# Altium PCB PCB-Tester-Board.PcbDoc (part 1 of 7) (continued)
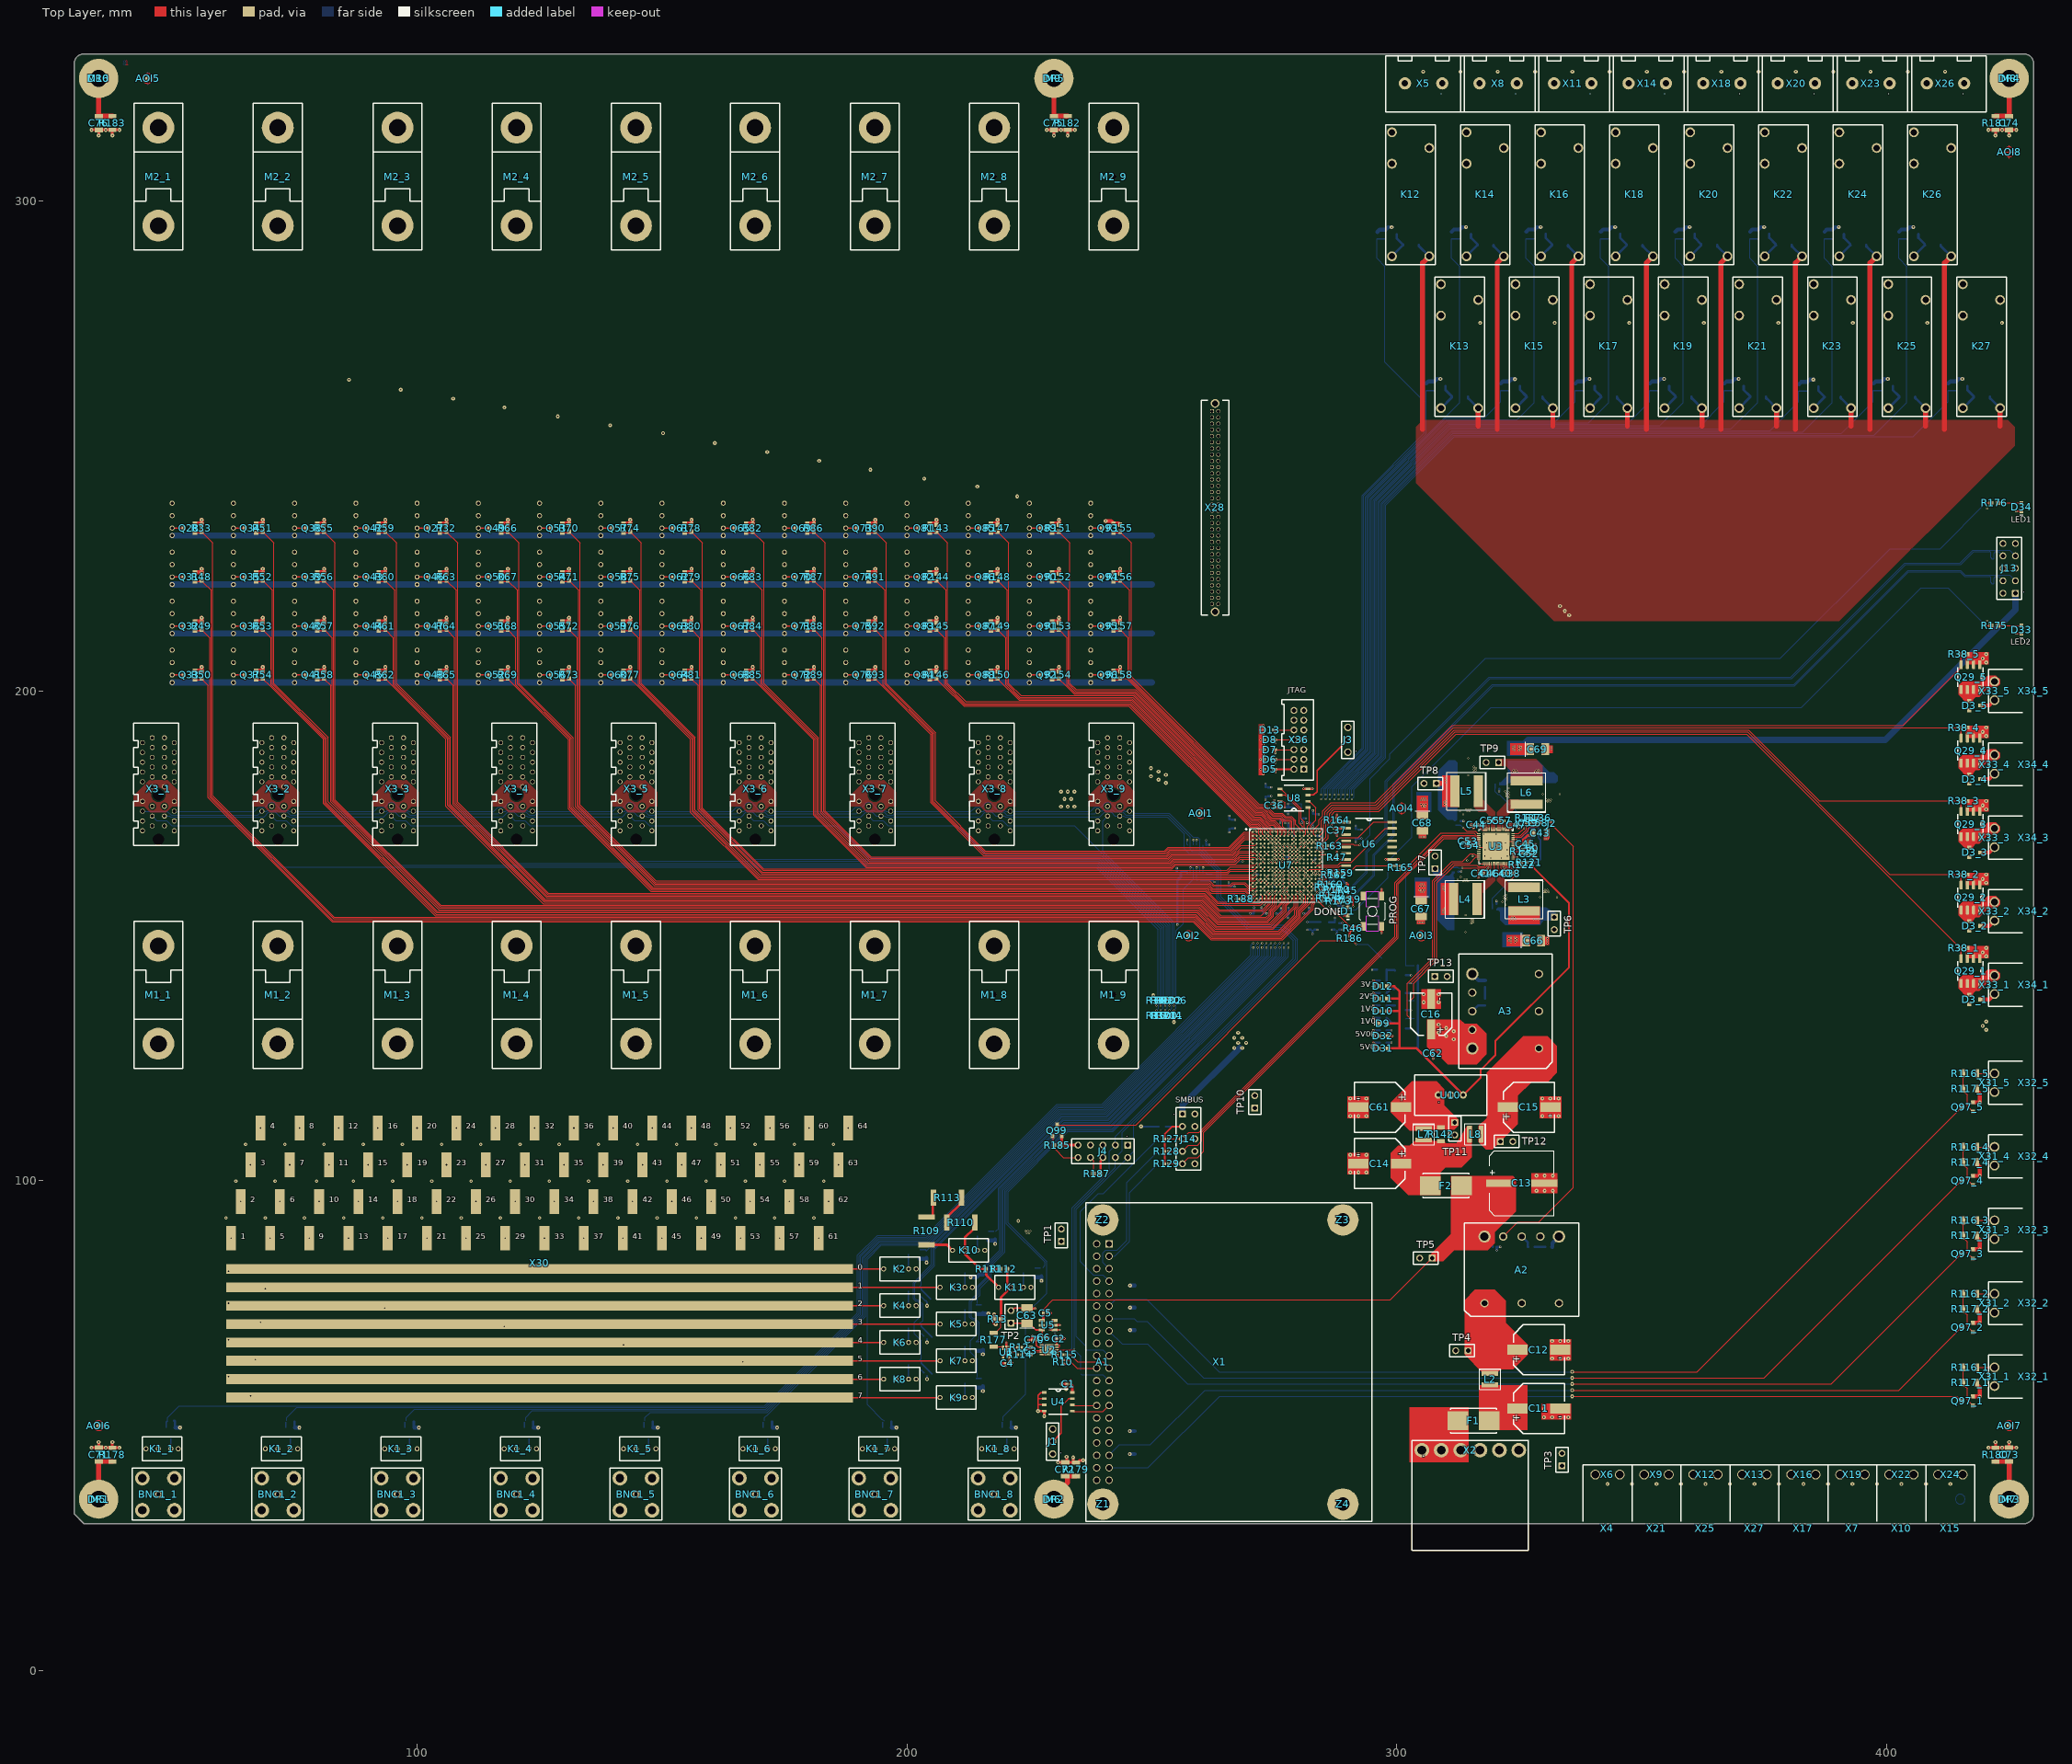
[diagram p0: Top Layer view]
## Components (designator, comment, footprint, x,y, rotation, side; value= is the part's Value field where it differs from the comment)
A1 "A" RPI4B 240,63 r270 top locked
A2 "A" I3A-POSETIVE 325.5,81.8 r90 top
A3 "A" I3A-POSETIVE 322.2,134.6 r180 top
AOI1 "AOI" "Fiducial Point" 260,175 r0 top
AOI2 "AOI" "Fiducial Point" 257.5,150 r90 top
AOI3 "AOI" "Fiducial Point" 305,150 r90 top
AOI4 "AOI" "Fiducial Cross" 301,176 r90 top
AOI5 "AOI" "Fiducial Point" 45,325 r90 top
AOI6 "AOI" "Fiducial Point" 35,50 r90 top
AOI7 "AOI" "Fiducial Point" 425,50 r90 top
AOI8 "AOI" "Fiducial Cross" 425,310 r90 top
AOI9 "AOI" "Fiducial Point" 35,50 r90 bottom
AOI10 "AOI" "Fiducial Point" 415,35 r90 bottom
AOI11 "AOI" "Fiducial Point" 425,310 r90 bottom
AOI12 "AOI" "Fiducial Cross" 45,325 r90 bottom
BNC1_1 "X" BNC 47.188,36 r180 top locked (schematic designator BNC1)
BNC1_2 "X" BNC 71.563,36 r180 top locked (schematic designator BNC1)
BNC1_3 "X" BNC 95.938,36 r180 top locked (schematic designator BNC1)
BNC1_4 "X" BNC 120.313,36 r180 top locked (schematic designator BNC1)
BNC1_5 "X" BNC 144.688,36 r180 top locked (schematic designator BNC1)
BNC1_6 "X" BNC 169.063,36 r180 top locked (schematic designator BNC1)
BNC1_7 "X" BNC 193.438,36 r180 top locked (schematic designator BNC1)
BNC1_8 "X" BNC 217.813,36 r180 top locked (schematic designator BNC1)
C1 "C" "C0402 Reflow" 233,58.5 r180 top value=100nF
C2 "C" "C0402 Reflow" 231,67.75 r0 top value=100nF
C3 "C" "C0603 Reflow" 225.25,65.25 r270 top value=2.2nF
C4 "C" "C0402 Reflow" 220.5,62.75 r180 top value=100nF
C5 "C" "C0402 Reflow" 228.25,73 r0 top value=100nF
C6 "C" "C0402 Reflow" 228,68 r0 top value=1uF
C7 "C" "C1206 Reflow" 322.5,164 r90 bottom value=10uF
C8 "C" "C1206 Reflow" 325,163 r90 bottom value=10uF
C9 "C" "C0805 Reflow" 287.75,152 r270 bottom value=10uF
C10 "C" "C0805 Reflow" 282.8,152.032 r270 bottom value=10uF
C11 "C+" SMD-CAP-ALU-G 329,53.5 r180 top value=330uF
C12 "C+" SMD-CAP-ALU-G 329,65.5 r180 top value=100uF
C13 "C+" CAP_EL_KE0 325.5,99.5 r90 top value=680µF
C14 "C+" SMD-CAP-ALU-G 296.5,103.5 r0 top value=330uF
C15 "C+" SMD-CAP-ALU-G 327,115 r180 top value=100uF
C16 "C+" SMD-CAP-ALU-E 307,134 r270 top value=220µF
C17 "C" "C0402 Reflow" 277.8,175.8 r270 bottom value=100nF
C18 "C" "C1206 Reflow" 318,164 r90 bottom value=10uF
C19 "C" "C1206 Reflow" 315.5,164 r90 bottom value=10uF
C20 "C" "C1206 Reflow" 319.151,171.262 r270 bottom value=DNM
C21 "C" "C1206 Reflow" 316.306,172.212 r270 bottom value=DNM
C22 "C" "C1206 Reflow" 324.231,172.187 r270 bottom value=10uF
C23 "C" "C1206 Reflow" 321.31,171.262 r270 bottom value=10uF
C24 "C" "C1210 Reflow" 323.958,156.247 r90 bottom value=47uF
C25 "C" "C1210 Reflow" 327.458,156.247 r90 bottom value=47uF
C26 "C" "C1210 Reflow" 330.958,156.247 r90 bottom value=47uF
C27 "C" "C1210 Reflow" 312.458,159.497 r0 bottom value=47uF
C28 "C" "C1210 Reflow" 312.458,155.997 r0 bottom value=47uF
C29 "C" "C1210 Reflow" 312.458,152.497 r0 bottom value=47uF
C30 "C" "C1210 Reflow" 312.995,177.492 r0 bottom value=DNM
C31 "C" "C1210 Reflow" 312.995,180.992 r0 bottom value=DNM
C32 "C" "C1210 Reflow" 312.995,184.492 r0 bottom value=DNM
C33 "C" "C1210 Reflow" 324.495,180.492 r270 bottom value=47uF
C34 "C" "C1210 Reflow" 327.995,180.492 r270 bottom value=47uF
C35 "C" "C1210 Reflow" 331.495,180.492 r270 bottom value=47uF
C36 "C" "C0402 Reflow" 275,176.595 r270 top value=100nF
C37 "C" "C0402 Reflow" 287.8,171.5 r270 top value=100nF
C38 "C" "C0402 Reflow" 323.25,162.75 r0 top value=100nF
C39 "C" "C0402 Reflow" 320,86.5 r0 bottom value=DNM
C40 "C" "C0402 Reflow" 321.5,162.75 r180 top value=100nF
C41 "C" "C0402 Reflow" 317.25,162.75 r180 top value=100nF
C42 "C" "C0402 Reflow" 321.589,155.956 r90 bottom value=100nF
C43 "C" "C1206 Reflow" 329.25,171 r0 top value=10uF
C44 "C" "C0402 Reflow" 316.194,172.69 r180 top value=100nF
C45 "C" "C0402 Reflow" 326.25,168.75 r0 top value=100nF
C46 "C" "C0402 Reflow" 319,162.75 r0 top value=100nF
C47 "C" "C0402 Reflow" 324.348,172.69 r0 top value=100nF
C48 "C" "C0402 Reflow" 312,162 r0 bottom value=100nF
C49 "C" "C0805 Reflow" 326.75,168.25 r0 bottom value=2u2
C50 "C" "C0402 Reflow" 327,167.75 r0 top value=1nF
C51 "C" "C0805 Reflow" 326.75,166.25 r0 bottom value=2u2
C52 "C" "C0402 Reflow" 327,166.75 r0 top value=1nF
C53 "C" "C0402 Reflow" 314.547,169.25 r180 top value=100nF
C54 "C" "C0402 Reflow" 314.947,168.45 r180 top value=1uF
C55 "C" "C0402 Reflow" 319,173.5 r0 top value=DNM
C56 "C" "C0402 Reflow" 312.5,174.75 r0 bottom value=DNM
C57 "C" "C0402 Reflow" 321.5,173.5 r180 top value=100nF
C58 "C" "C0402 Reflow" 328.879,173.076 r180 top value=10nF
C59 "C" "C0402 Reflow" 326.822,173.076 r0 top value=10nF
C60 "C" "C0402 Reflow" 322.123,180.545 r270 bottom value=100nF
C61 "C+" SMD-CAP-ALU-G 296.5,115 r0 top value=100uF
C62 "C" "C0402 Reflow" 307.4,126 r270 top value=DNM
C63 "C+" CAP_TAN_B 224.5,72.5 r90 top value=10u
C64 "C" "C0402 Reflow" 226,67.5 r180 bottom value=1uF
C65 "C" "C0402 Reflow" 231.164,67.75 r0 bottom value=1uF
C66 "C+" CAP_TAN_B 327.939,148.996 r0 top value=47u
C67 "C+" CAP_TAN_B 304.958,155.497 r270 top value=47u
C68 "C+" CAP_TAN_B 305.245,172.992 r270 top value=47u
C69 "C+" CAP_TAN_B 328.727,188.087 r0 top value=47u
C70 "C" "C0402 Reflow" 226,67.5 r180 top value=1uF
C71 "C" "C1206 Reflow" 35,44.1 r270 top value=DNM
C72 "C" "C1206 Reflow" 232.3,41.1 r270 top value=DNM
C73 "C" "C1206 Reflow" 425,44.1 r270 top value=DNM
C74 "C" "C1206 Reflow" 425,315.9 r90 top value=DNM
C75 "C" "C1206 Reflow" 230,315.9 r90 top value=DNM
C76 "C" "C1206 Reflow" 35,315.9 r90 top value=DNM
C77 "C" "C0402 Reflow" 255.5,163.1 r180 bottom value=100nF
C310 "C" "C0805 Reflow" 271.75,154.65 r180 bottom value=47uF
C311 "C" "C0402 Reflow" 278.6,164.4 r180 bottom value=4u7F
C312 "C" "C0402 Reflow" 274.3,161.6 r90 bottom value=4u7F
C313 "C" "C0402 Reflow" 276.8,164.4 r0 bottom value=4u7F
C314 "C" "C0402 Reflow" 277.4,161.3 r270 bottom value=470nF
C315 "C" "C0402 Reflow" 275.1,164.4 r180 bottom value=470nF
C316 "C" "C0805 Reflow" 282.745,173.95 r90 bottom value=47uF
C317 "C" "C0402 Reflow" 277.4,167.345 r270 bottom value=470nF
C318 "C" "C0805 Reflow" 282.6,154.65 r180 bottom value=47uF
C430 "C" "C0402 Reflow" 281.4,164.675 r90 bottom value=4u7F
C431 "C" "C0402 Reflow" 280.9,167.7 r0 bottom value=4u7F
C432 "C" "C0402 Reflow" 280.9,166.8 r0 bottom value=470nF
C433 "C" "C0402 Reflow" 279.7,168.8 r90 bottom value=470nF
C434 "C" "C0402 Reflow" 280.5,162.3 r90 bottom value=470nF
C435 "C" "C0402 Reflow" 280.4,164.675 r90 bottom value=470nF
C436 "C" "C0805 Reflow" 277,154.625 r180 bottom value=47uF
C437 "C" "C0805 Reflow" 288.1,161.555 r180 bottom value=47uF
C438 "C" "C0402 Reflow" 278.7,158.7 r180 bottom value=4u7F
C439 "C" "C0402 Reflow" 283.7,160.1 r270 bottom value=4u7F
C440 "C" "C0402 Reflow" 283.2,158.4 r90 bottom value=470nF
C441 "C" "C0402 Reflow" 281.3,160.7 r270 bottom value=470nF
C442 "C" "C0402 Reflow" 283.6,161.7 r0 bottom value=470nF
C443 "C" "C0402 Reflow" 281.4,158.5 r90 bottom value=470nF
C444 "C" "C0805 Reflow" 291.711,170.775 r270 bottom value=47uF
C445 "C" "C0402 Reflow" 281.7,165.9 r180 bottom value=4u7F
C446 "C" "C0402 Reflow" 283.1,168.1 r270 bottom value=4u7F
C447 "C" "C0402 Reflow" 282.2,162.995 r270 bottom value=470nF
C448 "C" "C0402 Reflow" 283.4,166.3 r270 bottom value=470nF
C449 "C" "C0402 Reflow" 283.4,170.4 r0 bottom value=470nF
C450 "C" "C0402 Reflow" 281.4,170.4 r90 bottom value=470nF
C451 "C" "C0805 Reflow" 273.3,179.4 r90 bottom value=47uF
C452 "C" "C0402 Reflow" 277.9,171.9 r90 bottom value=4u7F
C453 "C" "C0402 Reflow" 276.6,173.7 r180 bottom value=4u7F
C454 "C" "C0402 Reflow" 278.194,169.628 r270 bottom value=470nF
C455 "C" "C0402 Reflow" 276.2,170.7 r180 bottom value=470nF
C456 "C" "C0805 Reflow" 265.8,159.175 r90 bottom value=47uF
C457 "C" "C0402 Reflow" 270.3,159.3 r90 bottom value=4u7F
C458 "C" "C0402 Reflow" 273.9,159.7 r180 bottom value=4u7F
C459 "C" "C0402 Reflow" 274.8,157.7 r90 bottom value=470nF
C460 "C" "C0402 Reflow" 272.1,158.3 r270 bottom value=470nF
C461 "C" "C0402 Reflow" 272.1,162.5 r180 bottom value=470nF
C462 "C" "C0402 Reflow" 272.2,160.2 r0 bottom value=470nF
C463 "C" "C0805 Reflow" 265.9,172.8 r270 bottom value=47uF
C464 "C" "C0402 Reflow" 272.7,167.3 r90 bottom value=4u7F
C465 "C" "C0402 Reflow" 271,170.5 r90 bottom value=4u7F
C466 "C" "C0402 Reflow" 274.1,171.1 r270 bottom value=470nF
C467 "C" "C0402 Reflow" 273.1,169.1 r180 bottom value=470nF
C468 "C" "C0402 Reflow" 271.3,169.2 r180 bottom value=470nF
C469 "C" "C0402 Reflow" 270.7,166 r0 bottom value=470nF
C470 "C" "C0402 Reflow" 285.5,160.4 r90 bottom value=DNM
C471 "C" "C0402 Reflow" 277.4,165.7 r270 bottom value=100nF
C476 "C" "C0402 Reflow" 277.4,163 r90 bottom value=4u7F
C477 "C" "C0402 Reflow" 274.3,167.2 r90 bottom value=4u7F
D1 "D" L0603G 290,155 r270 top locked
D3_1 "D" SOT23-3 418,137 r90 top (schematic designator D3)
D3_2 "D" SOT23-3 418,152 r90 top (schematic designator D3)
D3_3 "D" SOT23-3 418,167 r90 top (schematic designator D3)
D3_4 "D" SOT23-3 418,182 r90 top (schematic designator D3)
D3_5 "D" SOT23-3 418,197 r90 top (schematic designator D3)
D5 "D" SOD323 274.1,184 r0 top
D6 "D" SOD323 274.1,186 r0 top
D7 "D" SOD323 274.1,188 r0 top
D8 "D" SOD323 274.1,190 r0 top
D9 "D" L0603G 297.18,132.08 r180 top
D10 "D" L0603G 297.18,134.62 r180 top
D11 "D" L0603G 297.18,137.16 r180 top
D12 "D" L0603G 297.18,139.7 r180 top
D13 "D" SOD323 274.1,192 r0 top
D14 "D" SOD123 302.9,290.962 r0 bottom
D15 "D" SOD123 312.862,260 r0 bottom
D16 "D" SOD123 318.082,291 r0 bottom
D17 "D" SOD123 328.082,260 r0 bottom
D18 "D" SOD123 333.302,291 r0 bottom
D19 "D" SOD123 343.302,260 r0 bottom
D20 "D" SOD123 348.522,291 r0 bottom
D21 "D" SOD123 358.522,260 r0 bottom
D22 "D" SOD123 363.742,291 r0 bottom
D23 "D" SOD123 373.742,260 r0 bottom
D24 "D" SOD123 378.962,291 r0 bottom
D25 "D" SOD123 388.962,259.868 r0 bottom
D26 "D" SOD123 394.182,291 r0 bottom
D27 "D" SOD123 404.182,260 r0 bottom
D28 "D" SOD123 409.402,291 r0 bottom
D29 "D" SOD123 419.402,260 r0 bottom
D31 "D" L0603G 297.18,127 r180 top
D32 "D" L0603G 297.18,129.54 r180 top
D33 "D" L0603G 427.5,212.5 r270 top
D34 "D" L0603G 427.5,237.5 r270 top
DR1 "3.4mm" HOLE_3.4mm 35,35 r0 top locked
DR2 "3.4mm" HOLE_3.4mm 230,35 r0 top locked
DR3 "3.4mm" HOLE_3.4mm 425,35 r0 top locked
DR4 "3.4mm" HOLE_3.4mm 425,325 r0 top locked
DR5 "3.4mm" HOLE_3.4mm 230,325 r0 top locked
DR6 "3.4mm" HOLE_3.4mm 35,325 r0 top locked
F1 "F" OMNI-Fuse 315.69,51 r0 top value=2.5A
F2 "F" OMNI-Fuse 310,99 r180 top value=3A
J1 "J" "Header 100mil 3x1" 229.75,46.75 r90 top
J2 "J" NT0201 331.622,172.912 r270 top net-tie
J3 "J" "Header 100mil 3x1" 290,190 r90 top
J4 "J" "Header 100mil 5x2" 240,106 r180 top locked
J5 "J" JumperSMD 322.958,151.497 r270 bottom value=0R
J6 "J" JumperSMD 324.458,151.497 r270 bottom value=0R
J7 "J" JumperSMD 307.458,160.497 r180 bottom value=0R
J8 "J" JumperSMD 307.458,158.997 r180 bottom value=0R
J9 "J" JumperSMD 307.745,177.992 r180 bottom value=DNM
J10 "J" JumperSMD 307.745,176.492 r180 bottom value=DNM
J11 "J" JumperSMD 325.245,185.992 r90 bottom value=0R
J12 "J" JumperSMD 323.745,185.992 r90 bottom value=0R
J13 "J" "Header 100mil 5x2" 425,225 r90 top
J14 "J" "Header 100mil 5x2" 257.5,108.54 r270 top
J15 "J" JumperSMD 252.064,111.08 r180 bottom value=0R
J16 "J" JumperSMD 252.064,103.46 r180 bottom value=0R
J17 "J" JumperSMD 252.064,106 r180 bottom value=0R
J18 "J" JumperSMD 252.064,108.54 r180 bottom value=0R
K1_1 "K" 118-1A 47.95,45.271 r180 top (schematic designator K1)
K1_2 "K" 118-1A 72.325,45.271 r180 top (schematic designator K1)
K1_3 "K" 118-1A 96.7,45.271 r180 top (schematic designator K1)
K1_4 "K" 118-1A 121.075,45.271 r180 top (schematic designator K1)
K1_5 "K" 118-1A 145.45,45.271 r180 top (schematic designator K1)
K1_6 "K" 118-1A 169.825,45.271 r180 top (schematic designator K1)
K1_7 "K" 118-1A 194.2,45.271 r180 top (schematic designator K1)
K1_8 "K" 118-1A 218.575,45.271 r180 top (schematic designator K1)
K2 "K" 118-1A 198.552,82 r180 top
K3 "K" 118-1A 210.052,78.25 r180 top
K4 "K" 118-1A 198.552,74.5 r180 top
K5 "K" 118-1A 210.052,70.75 r180 top
K6 "K" 118-1A 198.552,67 r180 top
K7 "K" 118-1A 210.052,63.25 r180 top
K8 "K" 118-1A 198.552,59.5 r180 top
K9 "K" 118-1A 210.052,55.75 r180 top
K10 "K" 118-1A 212.592,85.79 r180 top
K11 "K" 118-1A 222,78.25 r180 top
K12 "K" HF118F005-1ZS1 302.81,301.25 r90 top
K13 "K" HF118F005-1ZS1 312.81,270.25 r90 top
K14 "K" HF118F005-1ZS1 318.03,301.25 r90 top
K15 "K" HF118F005-1ZS1 328.03,270.25 r90 top
K16 "K" HF118F005-1ZS1 333.25,301.25 r90 top
K17 "K" HF118F005-1ZS1 343.25,270.25 r90 top
K18 "K" HF118F005-1ZS1 348.47,301.25 r90 top
K19 "K" HF118F005-1ZS1 358.47,270.25 r90 top
K20 "K" HF118F005-1ZS1 363.69,301.25 r90 top
K21 "K" HF118F005-1ZS1 373.69,270.25 r90 top
K22 "K" HF118F005-1ZS1 378.91,301.25 r90 top
K23 "K" HF118F005-1ZS1 388.91,270.25 r90 top
K24 "K" HF118F005-1ZS1 394.13,301.25 r90 top
K25 "K" HF118F005-1ZS1 404.13,270.25 r90 top
K26 "K" HF118F005-1ZS1 409.35,301.25 r90 top
K27 "K" HF118F005-1ZS1 419.35,270.25 r90 top
K28 "K" 118-1A 50,235 r90 bottom
K29 "K" 118-1A 50,225 r90 bottom
K30 "K" 118-1A 50,215 r90 bottom
K31 "K" 118-1A 50,205 r90 bottom
K32 "K" 118-1A 62.5,235 r90 bottom
K33 "K" 118-1A 62.5,225 r90 bottom
K34 "K" 118-1A 62.5,215 r90 bottom
K35 "K" 118-1A 62.5,205 r90 bottom
K36 "K" 118-1A 75,235 r90 bottom
K37 "K" 118-1A 75,225 r90 bottom
K38 "K" 118-1A 75,215 r90 bottom
K39 "K" 118-1A 75,205 r90 bottom
K40 "K" 118-1A 87.5,235 r90 bottom
K41 "K" 118-1A 87.5,225 r90 bottom
K42 "K" 118-1A 87.5,215 r90 bottom
K43 "K" 118-1A 87.5,205 r90 bottom
K44 "K" 118-1A 100,235 r90 bottom
K45 "K" 118-1A 100,225 r90 bottom
K46 "K" 118-1A 100,215 r90 bottom
K47 "K" 118-1A 100,205 r90 bottom
K48 "K" 118-1A 112.5,235 r90 bottom
K49 "K" 118-1A 112.5,225 r90 bottom
K50 "K" 118-1A 112.5,215 r90 bottom
K51 "K" 118-1A 112.5,205 r90 bottom
K52 "K" 118-1A 125,235 r90 bottom
K53 "K" 118-1A 125,225 r90 bottom
K54 "K" 118-1A 125,215 r90 bottom
K55 "K" 118-1A 125,205 r90 bottom
K56 "K" 118-1A 137.5,235 r90 bottom
K57 "K" 118-1A 137.5,225 r90 bottom
K58 "K" 118-1A 137.5,215 r90 bottom
K59 "K" 118-1A 137.5,205 r90 bottom
K60 "K" 118-1A 150,235 r90 bottom
K61 "K" 118-1A 150,225 r90 bottom
K62 "K" 118-1A 150,215 r90 bottom
K63 "K" 118-1A 150,205 r90 bottom
K64 "K" 118-1A 162.5,235 r90 bottom
K65 "K" 118-1A 162.5,225 r90 bottom
K66 "K" 118-1A 162.5,215 r90 bottom
K67 "K" 118-1A 162.5,205 r90 bottom
K68 "K" 118-1A 175,235 r90 bottom
K69 "K" 118-1A 175,225 r90 bottom
K70 "K" 118-1A 175,215 r90 bottom
K71 "K" 118-1A 175,205 r90 bottom
K72 "K" 118-1A 187.5,235 r90 bottom
K73 "K" 118-1A 187.5,225 r90 bottom
K74 "K" 118-1A 187.5,215 r90 bottom
K75 "K" 118-1A 187.5,205 r90 bottom
K76 "K" 118-1A 200,235 r90 bottom
K77 "K" 118-1A 200,225 r90 bottom
K78 "K" 118-1A 200,215 r90 bottom
K79 "K" 118-1A 200,205 r90 bottom
K80 "K" 118-1A 212.5,235 r90 bottom
K81 "K" 118-1A 212.5,225 r90 bottom
K82 "K" 118-1A 212.5,215 r90 bottom
K83 "K" 118-1A 212.5,205 r90 bottom
K84 "K" 118-1A 225,235 r90 bottom
K85 "K" 118-1A 225,225 r90 bottom
K86 "K" 118-1A 225,215 r90 bottom
K87 "K" 118-1A 225,205 r90 bottom
K88 "K" 118-1A 237.5,235 r90 bottom
K89 "K" 118-1A 237.5,225 r90 bottom
K90 "K" 118-1A 237.5,215 r90 bottom
K91 "K" 118-1A 237.5,205 r90 bottom
L1 "L" FB0805 285.3,152.8 r180 bottom
L2 "L" XAL4020 319,59.5 r270 top
L3 "L" XAL7070 325.958,157.497 r270 top
L4 "L" XAL7070 313.958,157.497 r180 top
L5 "L" XAL7070 314.245,179.492 r180 top
L6 "L" XAL7070 326.495,179.242 r90 top
L7 "L" XAL4020 305.5,109.5 r270 top
L8 "L" XAL4020 316,109.5 r180 top
M1_1 "Support Post" "Support Post" 47.188,137.956 r90 top locked (schematic designator M1)
M1_2 "Support Post" "Support Post" 71.563,137.956 r90 top locked (schematic designator M1)
M1_3 "Support Post" "Support Post" 96,137.956 r90 top locked (schematic designator M1)
M1_4 "Support Post" "Support Post" 120.313,137.956 r90 top locked (schematic designator M1)
M1_5 "Support Post" "Support Post" 144.688,137.956 r90 top locked (schematic designator M1)
M1_6 "Support Post" "Support Post" 169,137.956 r90 top locked (schematic designator M1)
M1_7 "Support Post" "Support Post" 193.438,137.956 r90 top locked (schematic designator M1)
M1_8 "Support Post" "Support Post" 217.813,137.956 r90 top locked (schematic designator M1)
M1_9 "Support Post" "Support Post" 242.188,137.956 r90 top locked (schematic designator M1)
M2_1 "Support Post" "Support Post" 47.188,304.956 r270 top locked (schematic designator M2)
M2_2 "Support Post" "Support Post" 71.563,304.956 r270 top locked (schematic designator M2)
M2_3 "Support Post" "Support Post" 96,304.956 r270 top locked (schematic designator M2)
M2_4 "Support Post" "Support Post" 120.313,304.956 r270 top locked (schematic designator M2)
M2_5 "Support Post" "Support Post" 144.688,304.956 r270 top locked (schematic designator M2)
M2_6 "Support Post" "Support Post" 169,304.956 r270 top locked (schematic designator M2)
M2_7 "Support Post" "Support Post" 193.438,304.956 r270 top locked (schematic designator M2)
M2_8 "Support Post" "Support Post" 217.813,304.956 r270 top locked (schematic designator M2)
M2_9 "Support Post" "Support Post" 242.188,304.956 r270 top locked (schematic designator M2)
M5 "Spacer 18mm Plastic" 970180155 35,35 r0 top locked
M6 "Spacer 18mm Plastic" 970180155 230,35 r0 top locked
M7 "Spacer 18mm Plastic" 970180155 425,35 r0 top locked
M8 "Spacer 18mm Plastic" 970180155 425,325 r180 top locked
M9 "Spacer 18mm Plastic" 970180155 230,325 r180 top locked
M10 "Spacer 18mm Plastic" 970180155 35,325 r180 top locked
PROG "SKQGABE010" SKQGABE010 295,155 r90 top locked
Q1 "Q" SOT23-3 201.48,84.98 r90 bottom
Q2 "Q" SOT23-3 212.98,81.23 r90 bottom
Q3 "Q" SOT23-3 201.48,77.48 r90 bottom
Q4 "Q" SOT23-3 212.98,73.73 r90 bottom
Q5 "Q" SOT23-3 201.48,69.98 r90 bottom
Q6 "Q" SOT23-3 212.98,66.23 r90 bottom
Q7 "Q" SOT23-3 201.48,62.48 r90 bottom
Q8 "Q" SOT23-3 212.98,58.73 r90 bottom
Q9 "Q" SOT23-3 215.52,88.77 r90 bottom
Q10 "Q" SOT23-3 224.928,81.23 r90 bottom
Q11 "Q" SOT23-3 415.32,262.22 r270 bottom
Q12 "Q" SOT23-3 298.819,293.181 r270 bottom
Q13 "Q" SOT23-3 308.78,262.22 r270 bottom
Q14 "Q" SOT23-3 314,293.22 r270 bottom
Q15 "Q" SOT23-3 324,262.22 r270 bottom
Q16 "Q" SOT23-3 329.22,293.22 r270 bottom
Q17 "Q" SOT23-3 339.22,262.22 r270 bottom
Q18 "Q" SOT23-3 344.44,293.22 r270 bottom
Q19 "Q" SOT23-3 354.44,262.22 r270 bottom
Q20 "Q" SOT23-3 359.66,293.22 r270 bottom
Q21 "Q" SOT23-3 369.66,262.22 r270 bottom
Q22 "Q" SOT23-3 374.88,293.22 r270 bottom
Q23 "Q" SOT23-3 384.88,262.087 r270 bottom
Q24 "Q" SOT23-3 390.1,293.22 r270 bottom
Q25 "Q" SOT23-3 400.1,262.22 r270 bottom
Q26 "Q" SOT23-3 405.32,293.22 r270 bottom
Q27 "Q" SOT23-3 103.5,233.222 r270 top
Q28 "Q" SOT23-3 53.5,233.222 r270 top
Q29_1 "Q" SOIC-8_MOSFET 417.095,142.8 r270 top (schematic designator Q29)
Q29_2 "Q" SOIC-8_MOSFET 417.095,157.8 r270 top (schematic designator Q29)
Q29_3 "Q" SOIC-8_MOSFET 417.095,172.8 r270 top (schematic designator Q29)
Q29_4 "Q" SOIC-8_MOSFET 417.095,187.8 r270 top (schematic designator Q29)
Q29_5 "Q" SOIC-8_MOSFET 417.095,202.8 r270 top (schematic designator Q29)
Q30 "Q" SOT23-3 300.75,132.08 r90 bottom
Q31 "Q" SOT23-3 53.5,223.222 r270 top
Q32 "Q" SOT23-3 53.5,213.222 r270 top
Q33 "Q" SOT23-3 53.5,203.222 r270 top
Q34 "Q" SOT23-3 66,233.222 r270 top
Q35 "Q" SOT23-3 66,223.222 r270 top
Q36 "Q" SOT23-3 66,213.222 r270 top
Q37 "Q" SOT23-3 66,203.222 r270 top
Q38 "Q" SOT23-3 78.5,233.222 r270 top
Q39 "Q" SOT23-3 78.5,223.222 r270 top
Q40 "Q" SOT23-3 78.5,213.222 r270 top
Q41 "Q" SOT23-3 78.5,203.222 r270 top
Q42 "Q" SOT23-3 91,233.222 r270 top
Q43 "Q" SOT23-3 91,223.222 r270 top
Q44 "Q" SOT23-3 91,213.222 r270 top
Q45 "Q" SOT23-3 91,203.222 r270 top
Q46 "Q" SOT23-3 103.5,223.222 r270 top
Q47 "Q" SOT23-3 103.5,213.222 r270 top
Q48 "Q" SOT23-3 103.5,203.222 r270 top
Q49 "Q" SOT23-3 116,233.222 r270 top
Q50 "Q" SOT23-3 116,223.222 r270 top
Q51 "Q" SOT23-3 116,213.222 r270 top
Q52 "Q" SOT23-3 116,203.222 r270 top
Q53 "Q" SOT23-3 128.5,233.222 r270 top
Q54 "Q" SOT23-3 128.5,223.222 r270 top
Q55 "Q" SOT23-3 128.5,213.222 r270 top
Q56 "Q" SOT23-3 128.5,203.222 r270 top
Q57 "Q" SOT23-3 141,233.222 r270 top
Q58 "Q" SOT23-3 141,223.222 r270 top
Q59 "Q" SOT23-3 140.905,213.222 r270 top
Q60 "Q" SOT23-3 141,203.222 r270 top
Q61 "Q" SOT23-3 153.5,233.222 r270 top
Q62 "Q" SOT23-3 153.5,223.222 r270 top
Q63 "Q" SOT23-3 153.5,213.222 r270 top
Q64 "Q" SOT23-3 153.5,203.222 r270 top
Q65 "Q" SOT23-3 166,233.222 r270 top
Q66 "Q" SOT23-3 166,223.222 r270 top
Q67 "Q" SOT23-3 166,213.222 r270 top
Q68 "Q" SOT23-3 166,203.222 r270 top
Q69 "Q" SOT23-3 178.5,233.222 r270 top
Q70 "Q" SOT23-3 178.5,223.222 r270 top
Q71 "Q" SOT23-3 178.5,213.222 r270 top
Q72 "Q" SOT23-3 178.5,203.222 r270 top
Q73 "Q" SOT23-3 191,233.222 r270 top
Q74 "Q" SOT23-3 191,223.222 r270 top
Q75 "Q" SOT23-3 191,213.222 r270 top
Q76 "Q" SOT23-3 191,203.222 r270 top
Q77_1 "Q" SOT23-3 49.728,48.453 r180 bottom (schematic designator Q77)
Q77_2 "Q" SOT23-3 74.103,48.453 r180 bottom (schematic designator Q77)
Q77_3 "Q" SOT23-3 98.478,48.453 r180 bottom (schematic designator Q77)
Q77_4 "Q" SOT23-3 122.853,48.453 r180 bottom (schematic designator Q77)
Q77_5 "Q" SOT23-3 147.228,48.453 r180 bottom (schematic designator Q77)
Q77_6 "Q" SOT23-3 171.603,48.453 r180 bottom (schematic designator Q77)
Q77_7 "Q" SOT23-3 195.978,48.453 r180 bottom (schematic designator Q77)
Q77_8 "Q" SOT23-3 220.353,48.453 r180 bottom (schematic designator Q77)
Q78 "Q" SOT23-3 300.75,135.763 r90 bottom
Q79 "Q" SOT23-3 300.75,139.3 r90 bottom
Q80 "Q" SOT23-3 300.75,142.9 r90 bottom
Q81 "Q" SOT23-3 203.5,233.222 r270 top
Q82 "Q" SOT23-3 203.5,223.222 r270 top
Q83 "Q" SOT23-3 203.5,213.222 r270 top
Q84 "Q" SOT23-3 203.5,203.222 r270 top
Q85 "Q" SOT23-3 216,233.222 r270 top
Q86 "Q" SOT23-3 216,223.222 r270 top
Q87 "Q" SOT23-3 216,213.222 r270 top
Q88 "Q" SOT23-3 216,203.222 r270 top
Q89 "Q" SOT23-3 228.5,233.222 r270 top
Q90 "Q" SOT23-3 228.5,223.222 r270 top
Q91 "Q" SOT23-3 228.5,213.222 r270 top
Q92 "Q" SOT23-3 228.5,203.222 r270 top
Q93 "Q" SOT23-3 241,233.222 r270 top
Q94 "Q" SOT23-3 241,223.222 r270 top
Q95 "Q" SOT23-3 241,213.222 r270 top
Q96 "Q" SOT23-3 241,203.222 r270 top
Q97_1 "Q" SOT23-3 416.45,55.05 r270 top (schematic designator Q97)
Q97_2 "Q" SOT23-3 416.45,70.05 r270 top (schematic designator Q97)
Q97_3 "Q" SOT23-3 416.45,85.05 r270 top (schematic designator Q97)
Q97_4 "Q" SOT23-3 416.45,100.05 r270 top (schematic designator Q97)
Q97_5 "Q" SOT23-3 416.45,115.05 r270 top (schematic designator Q97)
Q98 "Q" SOT23-3 296.917,144.25 r0 bottom
Q99 "Q" SOT23-3 230.65,110.25 r180 top
R1_1 "R" "R0603 Reflow" 49.728,50.986 r180 bottom value=4K7 (schematic designator R1)
R1_2 "R" "R0603 Reflow" 74.103,50.986 r180 bottom value=4K7 (schematic designator R1)
R1_3 "R" "R0603 Reflow" 98.478,50.986 r180 bottom value=4K7 (schematic designator R1)
R1_4 "R" "R0603 Reflow" 122.853,50.986 r180 bottom value=4K7 (schematic designator R1)
R1_5 "R" "R0603 Reflow" 147.228,50.986 r180 bottom value=4K7 (schematic designator R1)
R1_6 "R" "R0603 Reflow" 171.603,50.986 r180 bottom value=4K7 (schematic designator R1)
R1_7 "R" "R0603 Reflow" 195.978,50.986 r180 bottom value=4K7 (schematic designator R1)
R1_8 "R" "R0603 Reflow" 220.353,50.986 r180 bottom value=4K7 (schematic designator R1)
R2 "R" "R0603 Reflow" 204,84.98 r90 bottom value=4K7
R3 "R" "R0603 Reflow" 215.535,81.63 r90 bottom value=4K7
R4 "R" "R0603 Reflow" 204.5,75.5 r0 bottom value=4K7
R5 "R" "R0603 Reflow" 215.5,73.73 r90 bottom value=4K7
R6 "R" "R0603 Reflow" 204.5,68 r0 bottom value=4K7
R7 "R" "R0603 Reflow" 215.5,66.23 r90 bottom value=4K7
R8 "R" "R0603 Reflow" 204.5,60.5 r0 bottom value=4K7
R9 "R" "R0603 Reflow" 215.5,58.73 r90 bottom value=4K7
R10 "R" "R0402 Reflow" 231.85,63 r270 top value=10K
R11 "R" "R0402 Reflow" 254.486,133.688 r270 top value=10K
R12 "R" "R0402 Reflow" 223,66 r180 top value=33
R13 "R" "R0603 Reflow" 218.5,71.75 r0 top value=1k8
R14 "R" "R0603 Reflow" 218,88.77 r90 bottom value=4K7
R15 "R" "R0603 Reflow" 227.448,81.23 r90 bottom value=4K7
R16 "R" "R0603 Reflow" 412.483,261.97 r270 bottom value=4K7
R17 "R" "R0603 Reflow" 295.981,292.931 r270 bottom value=4K7
R18 "R" "R0603 Reflow" 305.943,261.97 r270 bottom value=4K7
R19 "R" "R0603 Reflow" 311.163,292.97 r270 bottom value=4K7
R20 "R" "R0603 Reflow" 321.163,261.97 r270 bottom value=4K7
R21 "R" "R0603 Reflow" 326.383,292.97 r270 bottom value=4K7
R22 "R" "R0603 Reflow" 336.383,261.97 r270 bottom value=4K7
R23 "R" "R0603 Reflow" 341.603,292.97 r270 bottom value=4K7
R24 "R" "R0603 Reflow" 351.603,261.97 r270 bottom value=4K7
R25 "R" "R0603 Reflow" 356.823,292.97 r270 bottom value=4K7
R26 "R" "R0603 Reflow" 366.823,261.97 r270 bottom value=4K7
R27 "R" "R0603 Reflow" 372.043,292.97 r270 bottom value=4K7
R28 "R" "R0603 Reflow" 382.043,261.837 r270 bottom value=4K7
R29 "R" "R0603 Reflow" 387.263,292.97 r270 bottom value=4K7
R30 "R" "R0603 Reflow" 397.263,261.97 r270 bottom value=4K7
R31 "R" "R0603 Reflow" 402.483,292.97 r270 bottom value=4K7
R32 "R" "R0603 Reflow" 106,233.222 r270 top value=4K7
R33 "R" "R0603 Reflow" 56,233.222 r270 top value=4K7
R34 "R" "R0402 Reflow" 250.914,136.819 r90 top value=10K
R35 "R" "R0402 Reflow" 250.914,133.688 r270 top value=10K
R36 "R" "R0402 Reflow" 251.807,136.819 r90 top value=10K
R37 "R" "R0402 Reflow" 251.807,133.688 r270 top value=10K
R38_1 "R" "R0603 Reflow" 415.75,147.5 r180 top value=4K7 (schematic designator R38)
R38_2 "R" "R0603 Reflow" 415.75,162.5 r180 top value=4K7 (schematic designator R38)
R38_3 "R" "R0603 Reflow" 415.75,177.5 r180 top value=4K7 (schematic designator R38)
R38_4 "R" "R0603 Reflow" 415.75,192.5 r180 top value=4K7 (schematic designator R38)
R38_5 "R" "R0603 Reflow" 415.75,207.5 r180 top value=4K7 (schematic designator R38)
R39 "R" "R0603 Reflow" 327.5,86.5 r180 bottom value=1K8
R40 "R" "R0603 Reflow" 331,86.5 r180 bottom value=16
R41 "R" "R0603 Reflow" 318,136.5 r270 bottom value=8K56
R42 "R" "R0603 Reflow" 318,140.2 r270 bottom value=16
R43 "R" "R0402 Reflow" 278.984,172.15 r270 bottom value=33
R44 "R" "R0402 Reflow" 275.5,159.7 r0 bottom value=4K7
R45 "R" "R0402 Reflow" 290,159.2 r90 top value=330
R46 "R" "R0402 Reflow" 291.1,151.5 r270 top value=4K7
R47 "R" "R0402 Reflow" 287.8,166 r90 top value=4K7
R48 "R" "R0603 Reflow" 56,223.222 r270 top value=4K7
R49 "R" "R0603 Reflow" 56,213.222 r270 top value=4K7
R50 "R" "R0603 Reflow" 56,203.222 r270 top value=4K7
R51 "R" "R0603 Reflow" 68.5,233.222 r270 top value=4K7
R52 "R" "R0603 Reflow" 68.5,223.222 r270 top value=4K7
R53 "R" "R0603 Reflow" 68.5,213.222 r270 top value=4K7
R54 "R" "R0603 Reflow" 68.5,203.222 r270 top value=4K7
R55 "R" "R0603 Reflow" 81,233.222 r270 top value=4K7
R56 "R" "R0603 Reflow" 81,223.222 r270 top value=4K7
R57 "R" "R0603 Reflow" 81,213.222 r270 top value=4K7
R58 "R" "R0603 Reflow" 81,203.222 r270 top value=4K7
R59 "R" "R0603 Reflow" 93.5,233.222 r270 top value=4K7
R60 "R" "R0603 Reflow" 93.5,223.222 r270 top value=4K7
R61 "R" "R0603 Reflow" 93.5,213.222 r270 top value=4K7
R62 "R" "R0603 Reflow" 93.5,203.222 r270 top value=4K7
R63 "R" "R0603 Reflow" 106,223.222 r270 top value=4K7
R64 "R" "R0603 Reflow" 106,213.222 r270 top value=4K7
R65 "R" "R0603 Reflow" 106,203.222 r270 top value=4K7
R66 "R" "R0603 Reflow" 118.5,233.222 r270 top value=4K7
R67 "R" "R0603 Reflow" 118.5,223.222 r270 top value=4K7
R68 "R" "R0603 Reflow" 118.5,213.222 r270 top value=4K7
R69 "R" "R0603 Reflow" 118.5,203.222 r270 top value=4K7
R70 "R" "R0603 Reflow" 131,233.222 r270 top value=4K7
R71 "R" "R0603 Reflow" 131,223.222 r270 top value=4K7
R72 "R" "R0603 Reflow" 131,213.222 r270 top value=4K7
R73 "R" "R0603 Reflow" 131,203.222 r270 top value=4K7
R74 "R" "R0603 Reflow" 143.5,233.222 r270 top value=4K7
R75 "R" "R0603 Reflow" 143.5,223.222 r270 top value=4K7
R76 "R" "R0603 Reflow" 143.5,213.222 r270 top value=4K7
R77 "R" "R0603 Reflow" 143.5,203.222 r270 top value=4K7
R78 "R" "R0603 Reflow" 156,233.222 r270 top value=4K7
R79 "R" "R0603 Reflow" 156,223.222 r270 top value=4K7
R80 "R" "R0603 Reflow" 156,213.222 r270 top value=4K7
R81 "R" "R0603 Reflow" 156,203.222 r270 top value=4K7
R82 "R" "R0603 Reflow" 168.5,233.222 r270 top value=4K7
R83 "R" "R0603 Reflow" 168.5,223.222 r270 top value=4K7
R84 "R" "R0603 Reflow" 168.5,213.222 r270 top value=4K7
R85 "R" "R0603 Reflow" 168.5,203.222 r270 top value=4K7
R86 "R" "R0603 Reflow" 181,233.222 r270 top value=4K7
R87 "R" "R0603 Reflow" 181,223.222 r270 top value=4K7
R88 "R" "R0603 Reflow" 181,213.222 r270 top value=4K7
R89 "R" "R0603 Reflow" 181,203.222 r270 top value=4K7
R90 "R" "R0603 Reflow" 193.5,233.222 r270 top value=4K7
R91 "R" "R0603 Reflow" 193.5,223.222 r270 top value=4K7
R92 "R" "R0603 Reflow" 193.5,213.222 r270 top value=4K7
R93 "R" "R0603 Reflow" 193.5,203.222 r270 top value=4K7
R94 "R" "R0402 Reflow" 319.933,155.481 r0 bottom value=33
R95 "R" "R0402 Reflow" 319.933,156.481 r180 bottom value=DNM
R96 "R" "R0402 Reflow" 311.5,163.5 r270 bottom value=33
R97 "R" "R0402 Reflow" 312.5,163.5 r90 bottom value=DNM